# Altium PCB Thermostat_8CH.PCBDOC (part 1 of 10)
Units mil, origin at the board's own origin, x right, y up, seen from the top; angles counter-clockwise.
Board outline 8409.08 x 3937.01 mil, 4 copper layers (TOP, G1, L2, BOT), stack 61.024 mil thick; 941 components, 513 nets, 2912 pads, 1409 vias.
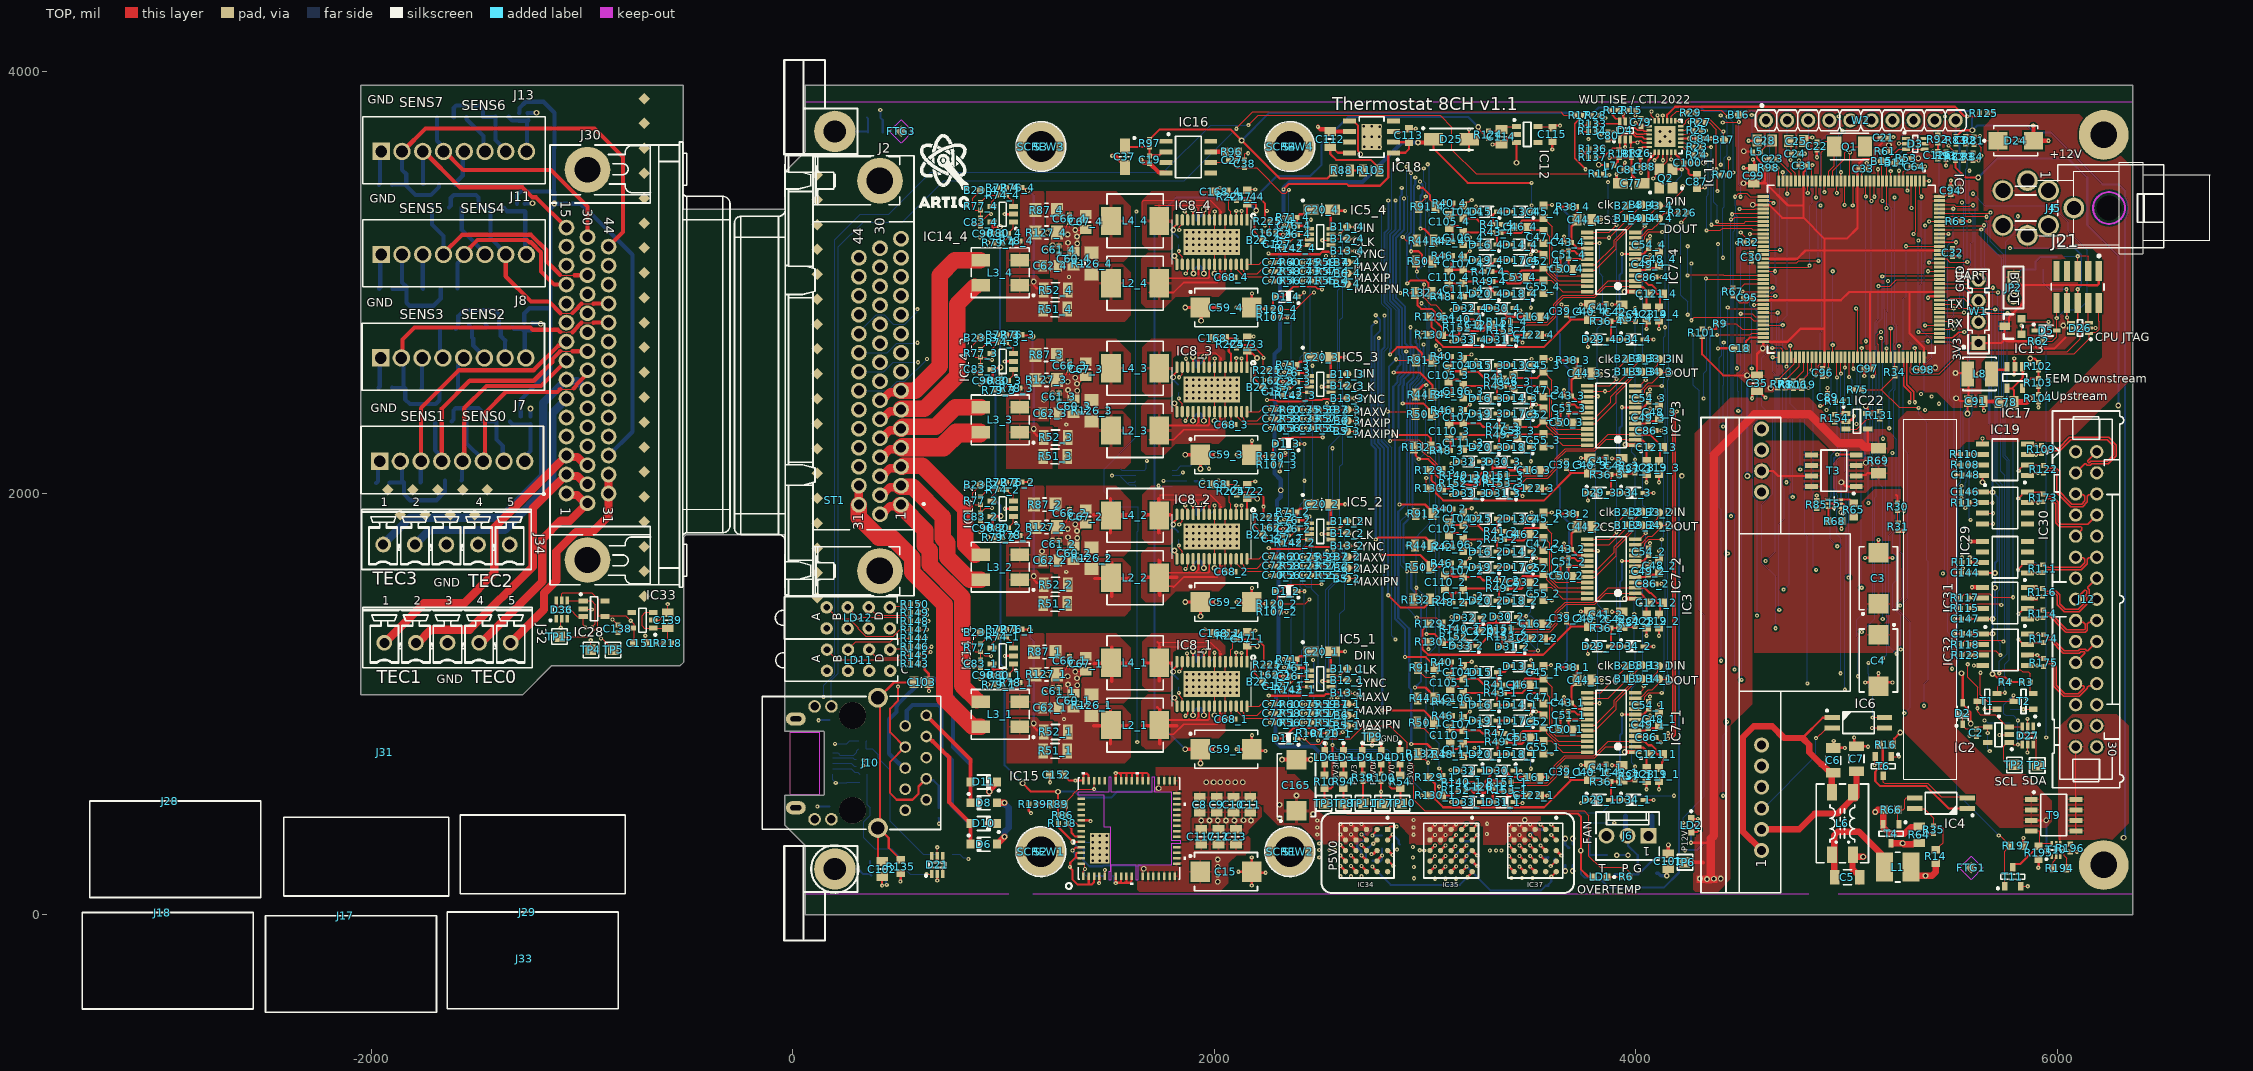
[diagram p0: TOP view]
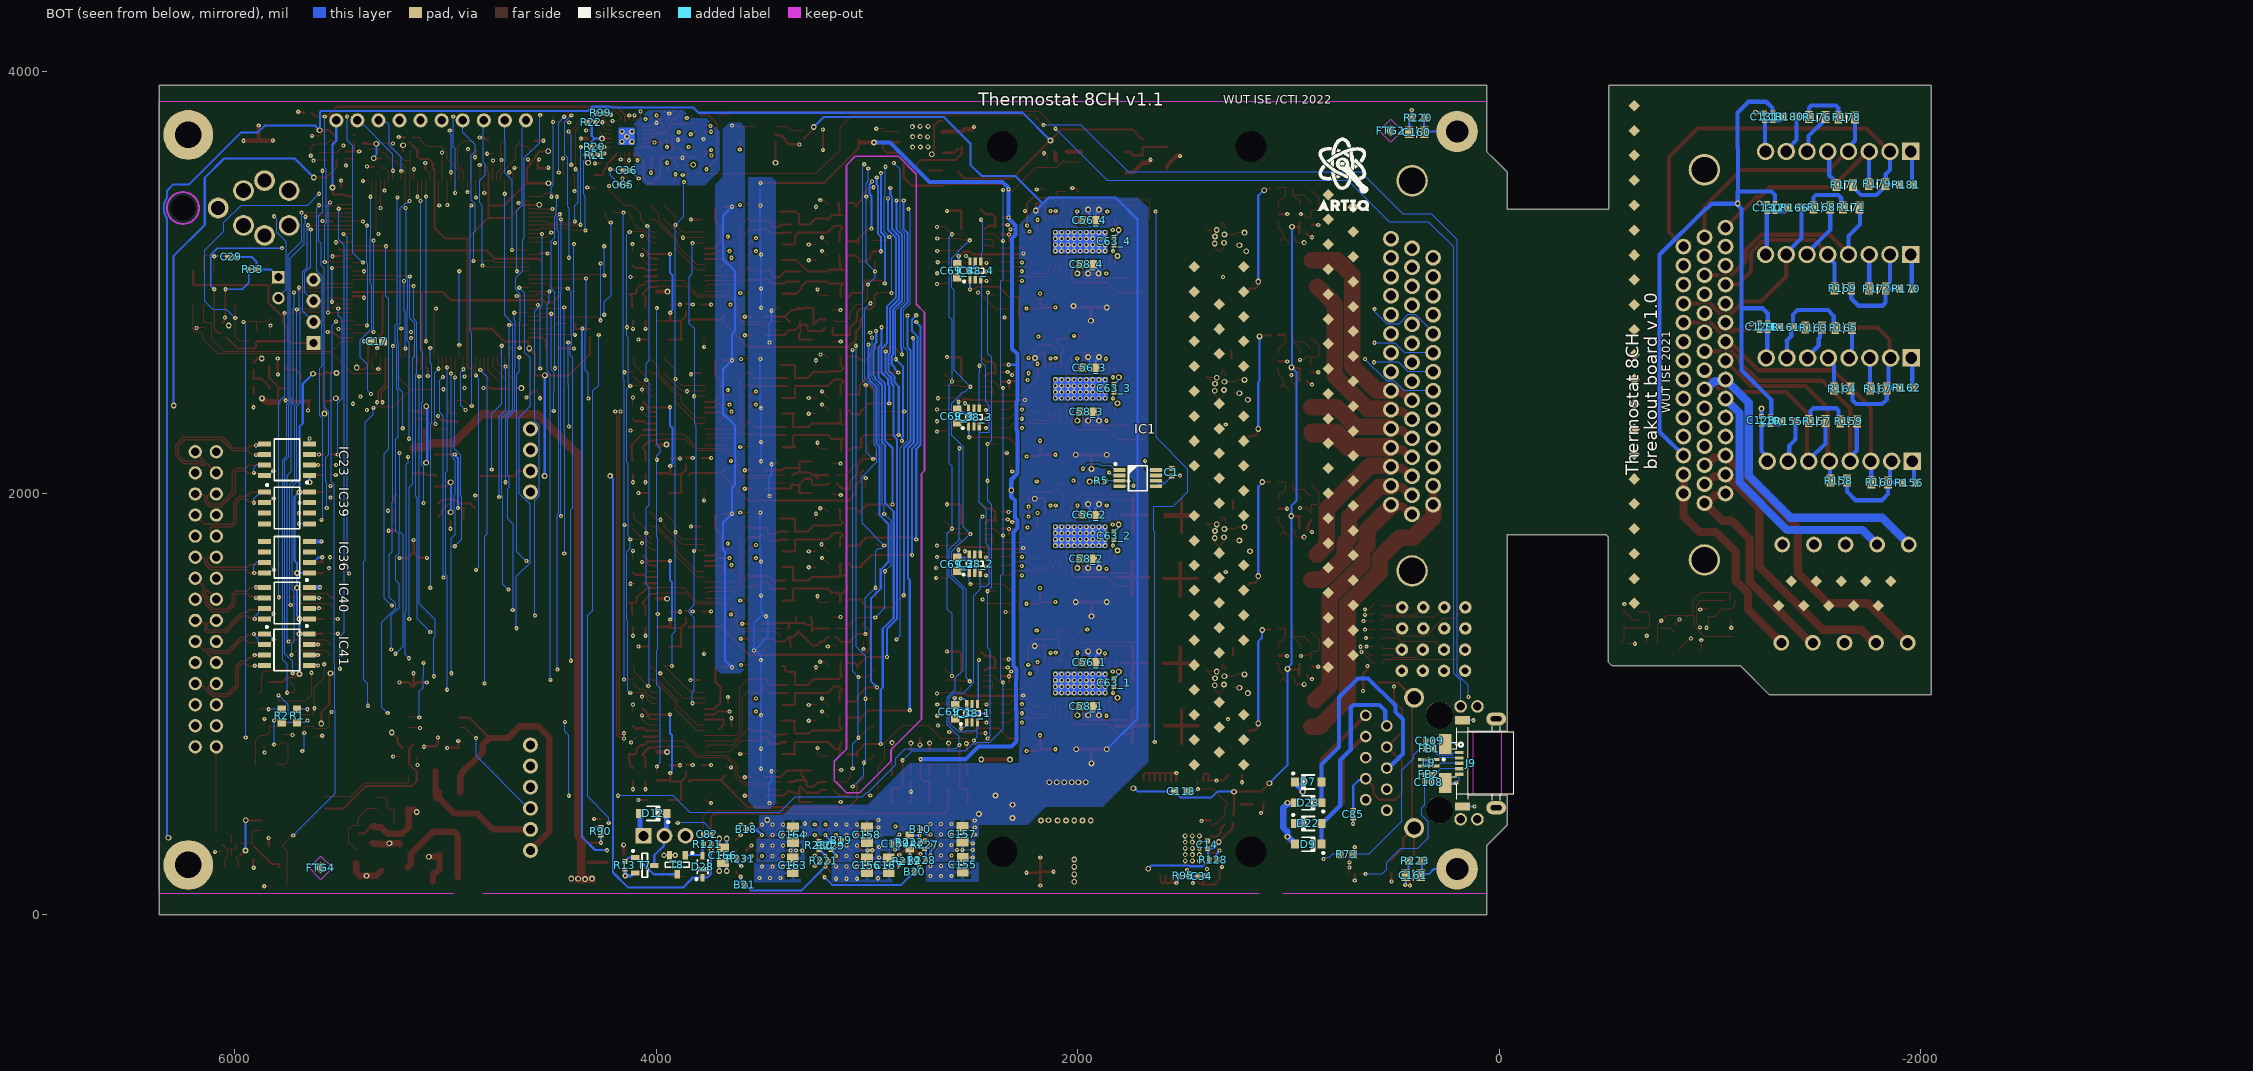
[diagram p1: BOT view, seen from below]
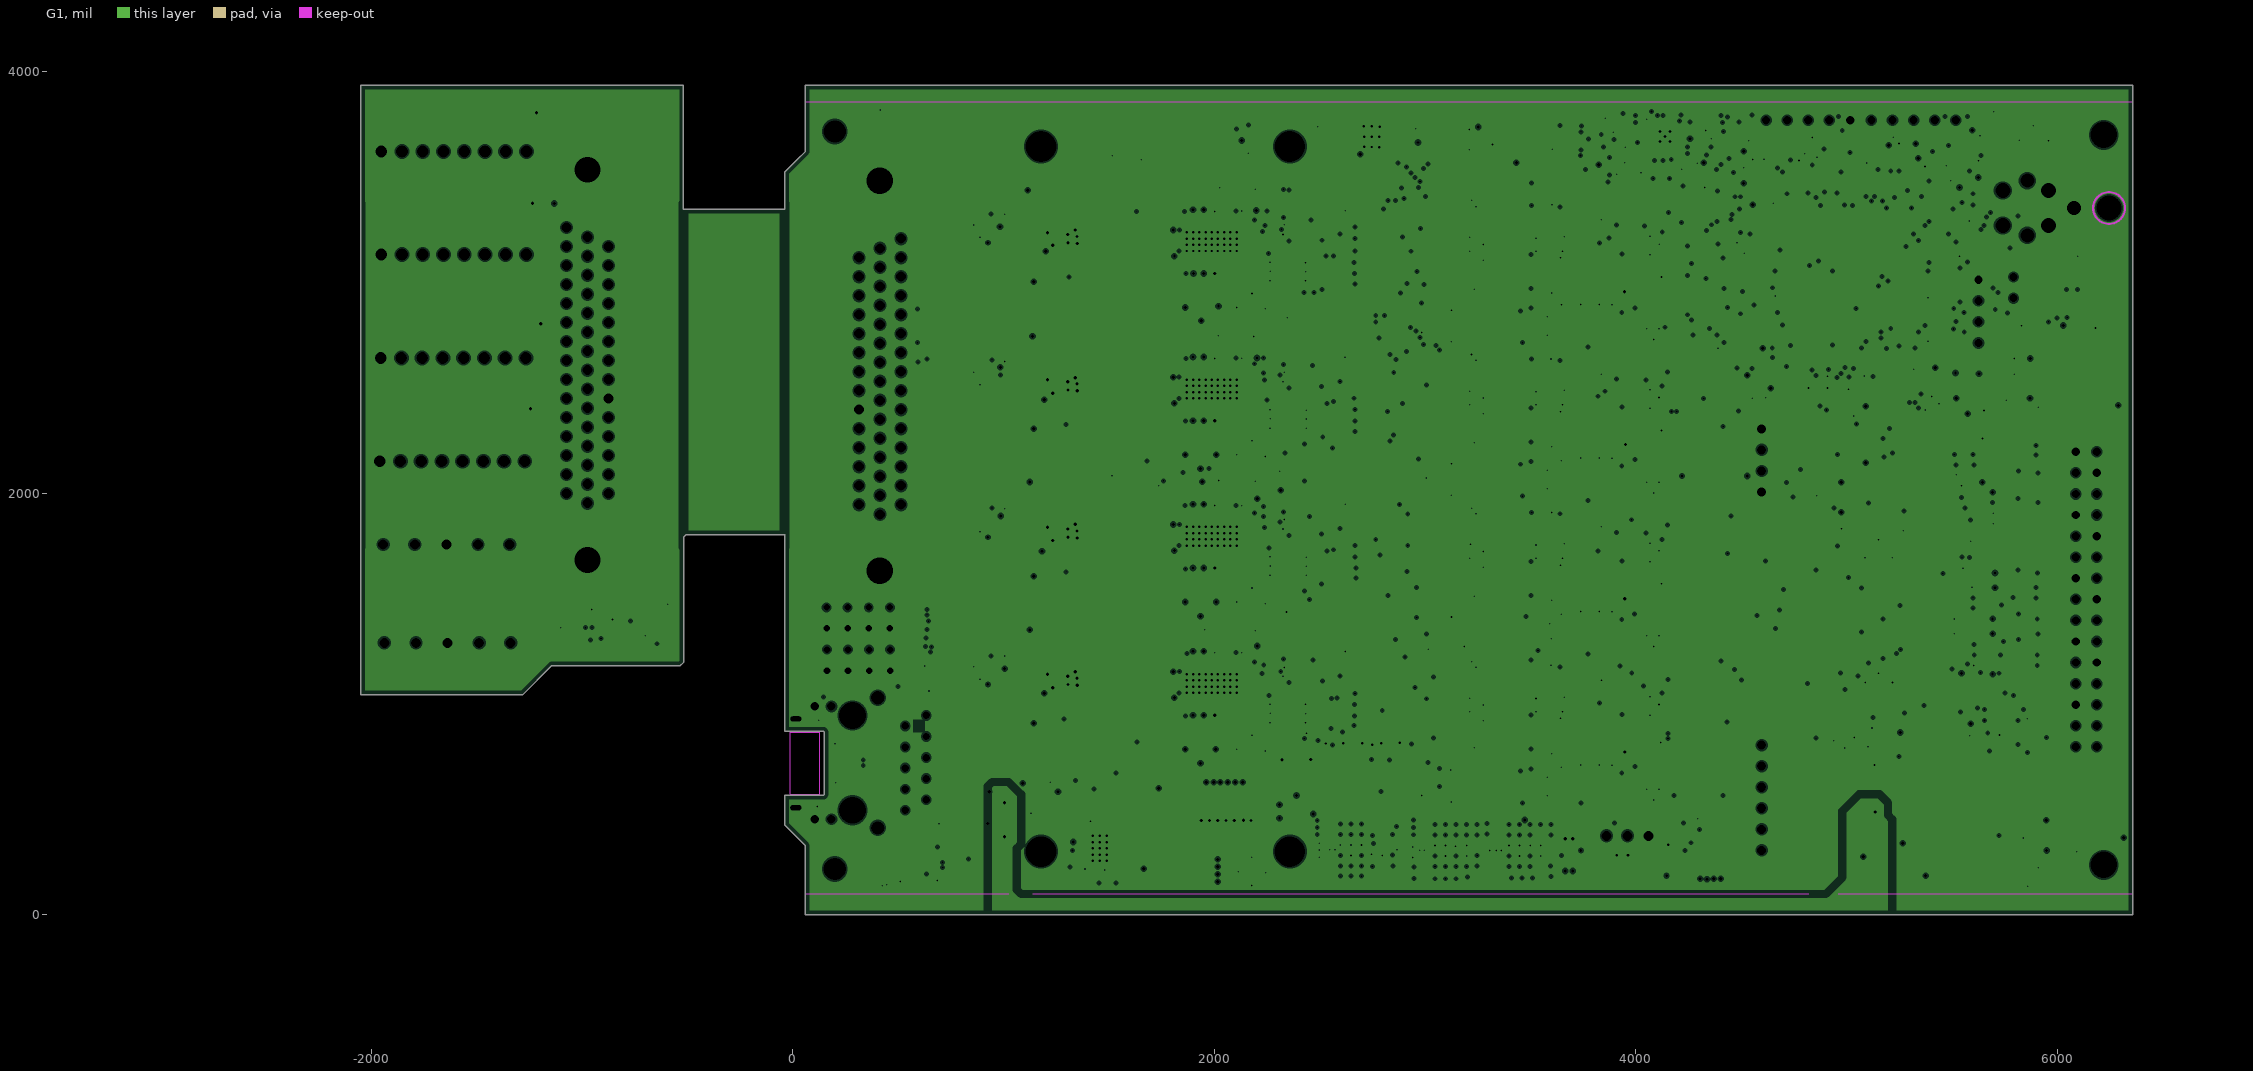
[diagram p2: G1, clearances drawn from the general rule]
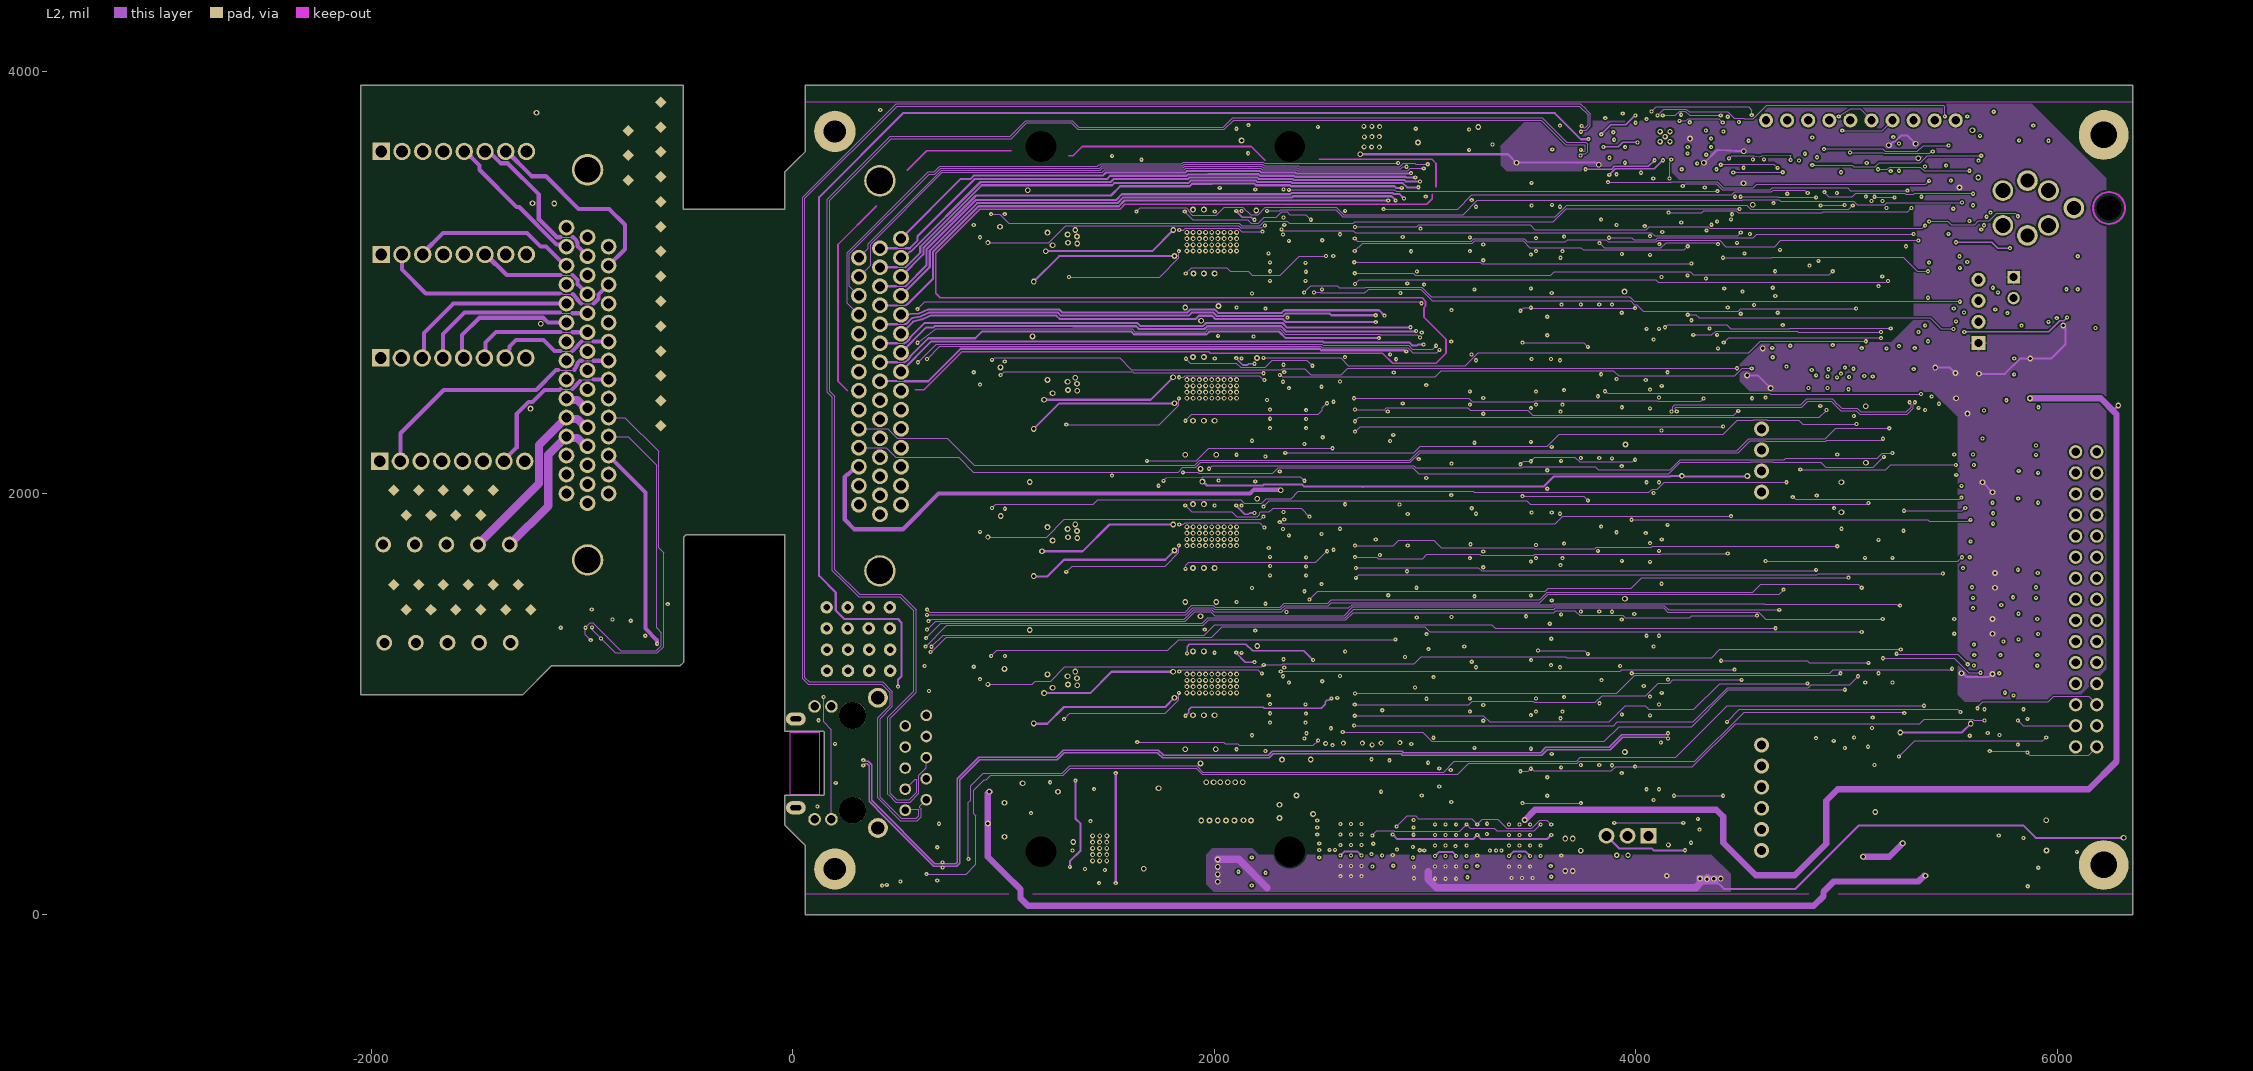
[diagram p3: L2]

## Layer stack, top to bottom
TopSolder: solder mask 0.3937, Solder Resist, Dk 3.5
TOP: signal copper 1.378
Dielectric1: prepreg 7.0866, FR-4, Dk 4.8
G1: plane copper 1.378, net (Multiple Nets)
Dielectric2: core 41.3386, Core-042, Dk 4.6
L2: signal copper 1.378
Dielectric3: prepreg 7.0866, FR-4, Dk 4.8
BOT: signal copper 1.378
BottomSolder: solder mask 0.3937, Solder Resist, Dk 3.5

## Board outline
-2051.02,1043.31 -1283.31,1043.31 -1145.51,1181.1 -535.28,1181.1 -519,1197.38 -519,1791 -506.11,1803.89 -39.37,1803.89 -38.95,1803.47 -38.95,870.08 145.67,870.08 149.61,866.14 149.61,570.87 145.67,566.93 -38.94,566.93 -38.94,425.55 59.06,327.55 59.06,0 6358.06,0 6358.06,3937 59.06,3937 59.06,3622.05 19.68,3582.68 -38.95,3524.05 -38.95,3347 -519.5,3347 -519.5,3937.01 -2051.02,3937.01 -2051.02,1803.35 -2051,1803
cut-out: 116.14,866.14 124.02,866.14 124.02,569.88 -10.83,569.88 -11.81,570.87 -11.81,866.14

## Design rules (kind name [scope] priority, off if disabled: settings)
AcuteAngle [All] p1: minimum=6.00000000000000E+0001 checktracksonly=FALSE
Clearance Clearance_HV [InNetClass('HV') vs not InNetClass('HV')] p1: gap=39.37 ignorepadtopadclearanceinfootprint=FALSE
Clearance Clearance_balancing [InNamedPolygon('balancing')] p2: gap=50 ignorepadtopadclearanceinfootprint=FALSE except(25: Via-Via Via-Fill Via-Poly Via-Region Via-Text Via-Hole)
Clearance Clearance_DIFF [(InDifferentialPairClass('All Differential Pairs')and IsTrack ) vs (InDifferentialPairClass('All Differential Pairs') and IsTrack  )] p3 off: gap=20 ignorepadtopadclearanceinfootprint=FALSE except(0: Arc-Hole Track-Hole SMDPad-Hole THPad-Hole Via-Hole Fill-Hole Poly-Hole Region-Hole Text-Hole; 5: SMDPad-SMDPad SMDPad-THPad SMDPad-Via SMDPad-Fill SMDPad-Poly SMDPad-Region SMDPad-Text THPad-THPad THPad-Via THPad-Fill THPad-Poly THPad-Region THPad-Text Via-Via Via-Fill Via-Poly Via-Region Via-Text)
Clearance [All] p4: gap=5 ignorepadtopadclearanceinfootprint=FALSE except(0: Arc-Hole Track-Hole SMDPad-Hole THPad-Hole Via-Hole Fill-Hole Poly-Hole Region-Hole Text-Hole; 8: Arc-Poly Track-Poly SMDPad-Poly THPad-Poly Via-Poly Fill-Poly Poly-Poly)
ComponentClearance [All] p1: gap=0 collisioncheckmode=3 verticalgap=0 showdistances=FALSE
DiffPairsRouting [All] p1: maxlimit=6 minlimit=5 mostfreqgap=6 toplayer_minwidth=5 toplayer_maxwidth=6.69 toplayer_prefwidth=6 midlayer1_minwidth=5 midlayer1_maxwidth=6 midlayer1_prefwidth=6 bottomlayer_minwidth=5 bottomlayer_maxwidth=6.69 bottomlayer_prefwidth=6 maxuncoupledlength=500
FabricationTestPointUsage TestPointUsage [All] p1: valid=0 allowmultiple=FALSE
FabricationTestpoint Testpoint [All] p1: side=3 testpointundercomponent=TRUE minsize=40 maxsize=100 preferedsize=60 minholesize=20 maxholesize=40 preferedholesize=32 testpointgrid=1 allowsidetop=TRUE allowsidebottom=TRUE usegrid=TRUE gridtolerance=0.01
Height [All] p1: minheight=0 maxheight=1574.8 prefheight=1574.8
HoleSize [All] p1: absolutevalues=TRUE maxlimit=150 minlimit=1 maxpercent=80.000 minpercent=20.000
HoleToHoleClearance [All] p1: gap=1 allowstackedmicrovias=TRUE
MatchedLengths "Schematic Matched Net Lengths_3" [InNet('PHY_TD_P')] p1: tolerance=100 checknetsindiffpair=TRUE checkdiffpairvsdiffpair=FALSE checkxsignals=FALSE checkothers=FALSE
MatchedLengths "Schematic Matched Net Lengths_2" [InNet('PHY_RD_P')] p2: tolerance=100 checknetsindiffpair=TRUE checkdiffpairvsdiffpair=FALSE checkxsignals=FALSE checkothers=FALSE
MatchedLengths "Schematic Matched Net Lengths_1" [InNet('PHY_TD_N')] p3: tolerance=100 checknetsindiffpair=TRUE checkdiffpairvsdiffpair=FALSE checkxsignals=FALSE checkothers=FALSE
MatchedLengths "Schematic Matched Net Lengths" [InNet('PHY_RD_N')] p4: tolerance=100 checknetsindiffpair=TRUE checkdiffpairvsdiffpair=FALSE checkxsignals=FALSE checkothers=FALSE
MinimumSolderMaskSliver [All] p1: minsoldermaskwidth=0
PlaneClearance PlaneClearance_HV [InNetClass('HV')] p1: clearance=39.37
PlaneClearance [All] p2: clearance=7.87
PlaneConnect [All] p1: pad.planeconnectstyle=Relief pad.reliefexpansion=10 pad.reliefentries=4 pad.reliefconductorwidth=10 pad.reliefairgap=6 via.planeconnectstyle=Direct via.reliefexpansion=20 via.reliefentries=4 via.reliefconductorwidth=10 via.reliefairgap=10
PolygonConnect PolygonConnect_Power [InComponent('C155') or InComponent('C156') or  InComponent('C157') or  InComponent('C158') or InComponent('C163') or InComponent('C164')  or InComponent('C165')or InComponent('C167') or InComponent('L2_1')  or InComponent('L2_2') or InComponent('L2_3') or InComponent('L2_4')    or InComponent('L4_1')  or InComponent('L4_2') or InComponent('L4_3') or InComponent('L4_4')] p1: connectstyle=Relief reliefconductorwidth=15.75 reliefentries=4 polygonreliefangle="90 Angle" airgapwidth=10
PolygonConnect PolygonConnect_BGA [HasFootprint('LGA25C127P5X5_625X625X192')] p2: connectstyle=Direct reliefconductorwidth=10 reliefentries=4 polygonreliefangle="90 Angle" airgapwidth=10
PolygonConnect PolygonConnect_pad [All] p3: thpad.connectstyle=Relief thpad.reliefconductorwidth=10 thpad.reliefentries=4 thpad.polygonreliefangle="90 Angle" thpad.airgapwidth=6 smdpad.connectstyle=Relief smdpad.reliefconductorwidth=10 smdpad.reliefentries=4 smdpad.polygonreliefangle="90 Angle" smdpad.airgapwidth=6 via.connectstyle=Direct via.reliefconductorwidth=10 via.reliefentries=4 via.polygonreliefangle="90 Angle" via.airgapwidth=6
RoomDefinition U_AFE1 [InComponentClass('U_AFE1')] p1: confinementstyle=ConfineIn formatcopy=TRUE lockcomponents=FALSE outline 2765.75,1220.47 4291.34,1220.47 4291.34,1948.82 2765.75,1948.82
RoomDefinition EEM_connector [InComponentClass('EEM_connector')] p2: confinementstyle=ConfineIn formatcopy=TRUE lockcomponents=FALSE outline 5404.27,2431.26 6373.03,2431.26 6373.03,5.91 5404.27,5.91
RoomDefinition U_AFE0 [InComponentClass('U_AFE0')] p3: confinementstyle=ConfineIn formatcopy=TRUE lockcomponents=FALSE outline 2765.75,492.13 4291.34,492.13 4291.34,1220.47 2765.75,1220.47
RoomDefinition U_TH8_Breakout [InComponentClass('U_TH8_Breakout')] p4: confinementstyle=ConfineIn formatcopy=TRUE lockcomponents=FALSE outline -1030.75,1371.06 -726.22,1371.06 -726.22,1674.61 -1030.75,1674.61
RoomDefinition U_Thermostat_Supply [InComponentClass('U_Thermostat_Supply')] p5: confinementstyle=ConfineIn formatcopy=TRUE lockcomponents=FALSE outline 1180.12,-127.95 1337.6,-127.95 1337.6,137.97 1180.12,137.97
RoomDefinition U_TEC_driver3 [InComponentClass('U_TEC_driver3')] p6: confinementstyle=ConfineIn formatcopy=TRUE lockcomponents=FALSE outline 2677.17,3474.41 846.46,3474.41 846.46,2775.59 2677.17,2775.59
RoomDefinition U_TEC_driver0 [InComponentClass('U_TEC_driver0')] p7: confinementstyle=ConfineIn formatcopy=TRUE lockcomponents=FALSE outline 2677.17,1377.95 846.46,1377.95 846.46,679.13 2677.17,679.13
RoomDefinition U_AFE3 [InComponentClass('U_AFE3')] p8: confinementstyle=ConfineIn formatcopy=TRUE lockcomponents=FALSE outline 2765.75,2677.17 4291.34,2677.17 4291.34,3405.51 2765.75,3405.51
RoomDefinition U_AFE2 [InComponentClass('U_AFE2')] p9: confinementstyle=ConfineIn formatcopy=TRUE lockcomponents=FALSE outline 2765.75,1948.82 4291.34,1948.82 4291.34,2677.17 2765.75,2677.17
RoomDefinition Thermostat_8CH [InComponentClass('Thermostat_8CH')] p10: confinementstyle=ConfineIn formatcopy=TRUE lockcomponents=FALSE outline 6358.06,20.1 6122.82,20.1 6122.82,194.37 6358.06,194.37
RoomDefinition U_STM32_F4CPU [InComponentClass('U_STM32_F4CPU')] p11: confinementstyle=ConfineIn formatcopy=TRUE lockcomponents=FALSE outline 2211.61,3863.19 2460.63,3863.19 2211.61,3863.19
RoomDefinition RMII_Ethernet [InComponentClass('RMII_Ethernet')] p12: confinementstyle=ConfineIn formatcopy=TRUE lockcomponents=FALSE outline -636.81,53.14 -176.18,53.14 -176.18,907.48 -636.81,907.48
RoomDefinition USB [InComponentClass('USB')] p13: confinementstyle=ConfineIn formatcopy=TRUE lockcomponents=FALSE outline -332.68,619.11 29.53,619.11 29.53,117.13 -332.68,117.13
RoomDefinition U_TEC_driver2 [InComponentClass('U_TEC_driver2')] p14: confinementstyle=ConfineIn formatcopy=TRUE lockcomponents=FALSE outline 2677.17,2775.59 846.46,2775.59 846.46,2076.77 2677.17,2076.77
RoomDefinition U_TEC_driver1 [InComponentClass('U_TEC_driver1')] p15: confinementstyle=ConfineIn formatcopy=TRUE lockcomponents=FALSE outline 2677.17,2076.77 846.46,2076.77 846.46,1377.95 2677.17,1377.95
RoutingVias RoutingVias_HPOW [InNetClass('HPOW')] p1: holewidth=28 width=50 viastyle="Through Hole" minholewidth=28 minwidth=50 maxholewidth=28 maxwidth=50 useviatemplates=TRUE viatemplateguid#1={C4BC9E51-A50C-4827-9BB3-4603308538B4} viatemplateguid#2={B5D767B0-96F0-490E-9621-DF468C9DD5C8} viatemplateguid#3={CC3703E4-4F4D-4ECC-8BAE-5075FE03B580} viatemplatename#1=v50h20m0mx0 viatemplatename#2=v66h33m0mx0 viatemplatename#3=v70h40m0mx0
RoutingVias [All] p2: holewidth=7.87 width=19.68 viastyle="Through Hole" minholewidth=7.87 minwidth=19.68 maxholewidth=39.37 maxwidth=78.74 useviatemplates=TRUE viatemplateguid#1={C4BC9E51-A50C-4827-9BB3-4603308538B4} viatemplateguid#2={A86ABFB5-DEF7-4A39-8B53-0CFF0DEED7D0} viatemplateguid#3={09B06083-E995-414E-AB37-2F7DC4B9C6DF} viatemplateguid#4={C0EBE885-0A75-4383-AABD-E9C68A6ADC0C} viatemplateguid#5={B5D767B0-96F0-490E-9621-DF468C9DD5C8} viatemplateguid#6={CC3703E4-4F4D-4ECC-8BAE-5075FE03B580} viatemplateguid#7={4937D8D9-3ACA-4365-854C-C932E18BD1B1} viatemplatename#1=v50h20m0mx0 viatemplatename#2=v60h30 viatemplatename#3=v60h30m0mx0 viatemplatename#4=v60h30m0mx0(1) viatemplatename#5=v66h33m0mx0 viatemplatename#6=v70h40m0mx0 viatemplatename#7=v50h20m55mx0
SilkToSilkClearance [All] p1: silktosilkclearance=0
SilkToSolderMaskClearance SilkscreenOverComponentPads [IsPad] p1: minsilkscreentomaskgap=0 clearancetoexposedcopper=TRUE
SolderMaskExpansion [All] p1: expansion=0.59 istentingtop=FALSE
ViasUnderSMD ViasUnderSMD_QFN [HasFootprint('TSSOP28-EP')  or InComponent('IC11') or InComponent('IC18')  or InComponent('IC15') or InComponent('S1') or InComponent('S2') or InComponent('S3') or InComponent('S4')] p1: allowed=TRUE
ViasUnderSMD [All] p2: allowed=FALSE
Width "Schematic Width Constraint_15" [InNet('SENS1_4_P')] p1: maxlimit=15 minlimit=10 preferedwidth=10
Width "Schematic Width Constraint_14" [InNet('SENS1_4_N')] p2: maxlimit=15 minlimit=10 preferedwidth=10
Width "Schematic Width Constraint_13" [InNet('SENS0_4_N')] p3: maxlimit=15 minlimit=10 preferedwidth=10
Width "Schematic Width Constraint_12" [InNet('SENS1_1')] p4: maxlimit=15 minlimit=10 preferedwidth=10
Width "Schematic Width Constraint_11" [InNet('SENS0_3_P')] p5: maxlimit=15 minlimit=10 preferedwidth=10
Width "Schematic Width Constraint_10" [InNet('SENS1_2_N')] p6: maxlimit=15 minlimit=10 preferedwidth=10
Width "Schematic Width Constraint_9" [InNet('SENS0_2_N')] p7: maxlimit=15 minlimit=10 preferedwidth=10
Width "Schematic Width Constraint_8" [InNet('SENS1_3_N')] p8: maxlimit=15 minlimit=10 preferedwidth=10
Width "Schematic Width Constraint_7" [InNet('SENS0_2_P')] p9: maxlimit=15 minlimit=10 preferedwidth=10
Width "Schematic Width Constraint_6" [InNet('SENS0_1')] p10: maxlimit=15 minlimit=10 preferedwidth=10
Width "Schematic Width Constraint_5" [InNet('SENS1_2')] p11: maxlimit=15 minlimit=10 preferedwidth=10
Width "Schematic Width Constraint_4" [InNet('SENS1_2_P')] p12: maxlimit=15 minlimit=10 preferedwidth=10
Width "Schematic Width Constraint_3" [InNet('SENS0_4_P')] p13: maxlimit=15 minlimit=10 preferedwidth=10
Width "Schematic Width Constraint_2" [InNet('SENS0_2')] p14: maxlimit=15 minlimit=10 preferedwidth=10
Width "Schematic Width Constraint_1" [InNet('SENS0_3_N')] p15: maxlimit=15 minlimit=10 preferedwidth=10
Width "Schematic Width Constraint" [InNet('SENS1_3_P')] p16: maxlimit=15 minlimit=10 preferedwidth=10
Width Width_HPOW [InNetClass('HPOW')] p17: maxlimit=157.48 minlimit=10 preferedwidth=19.68
Width [All] p18: maxlimit=50 minlimit=5 preferedwidth=5
18 further rules are at their usual default settings.
